# Altium PCB 5607.PcbDoc (part 1 of 6) (continued)
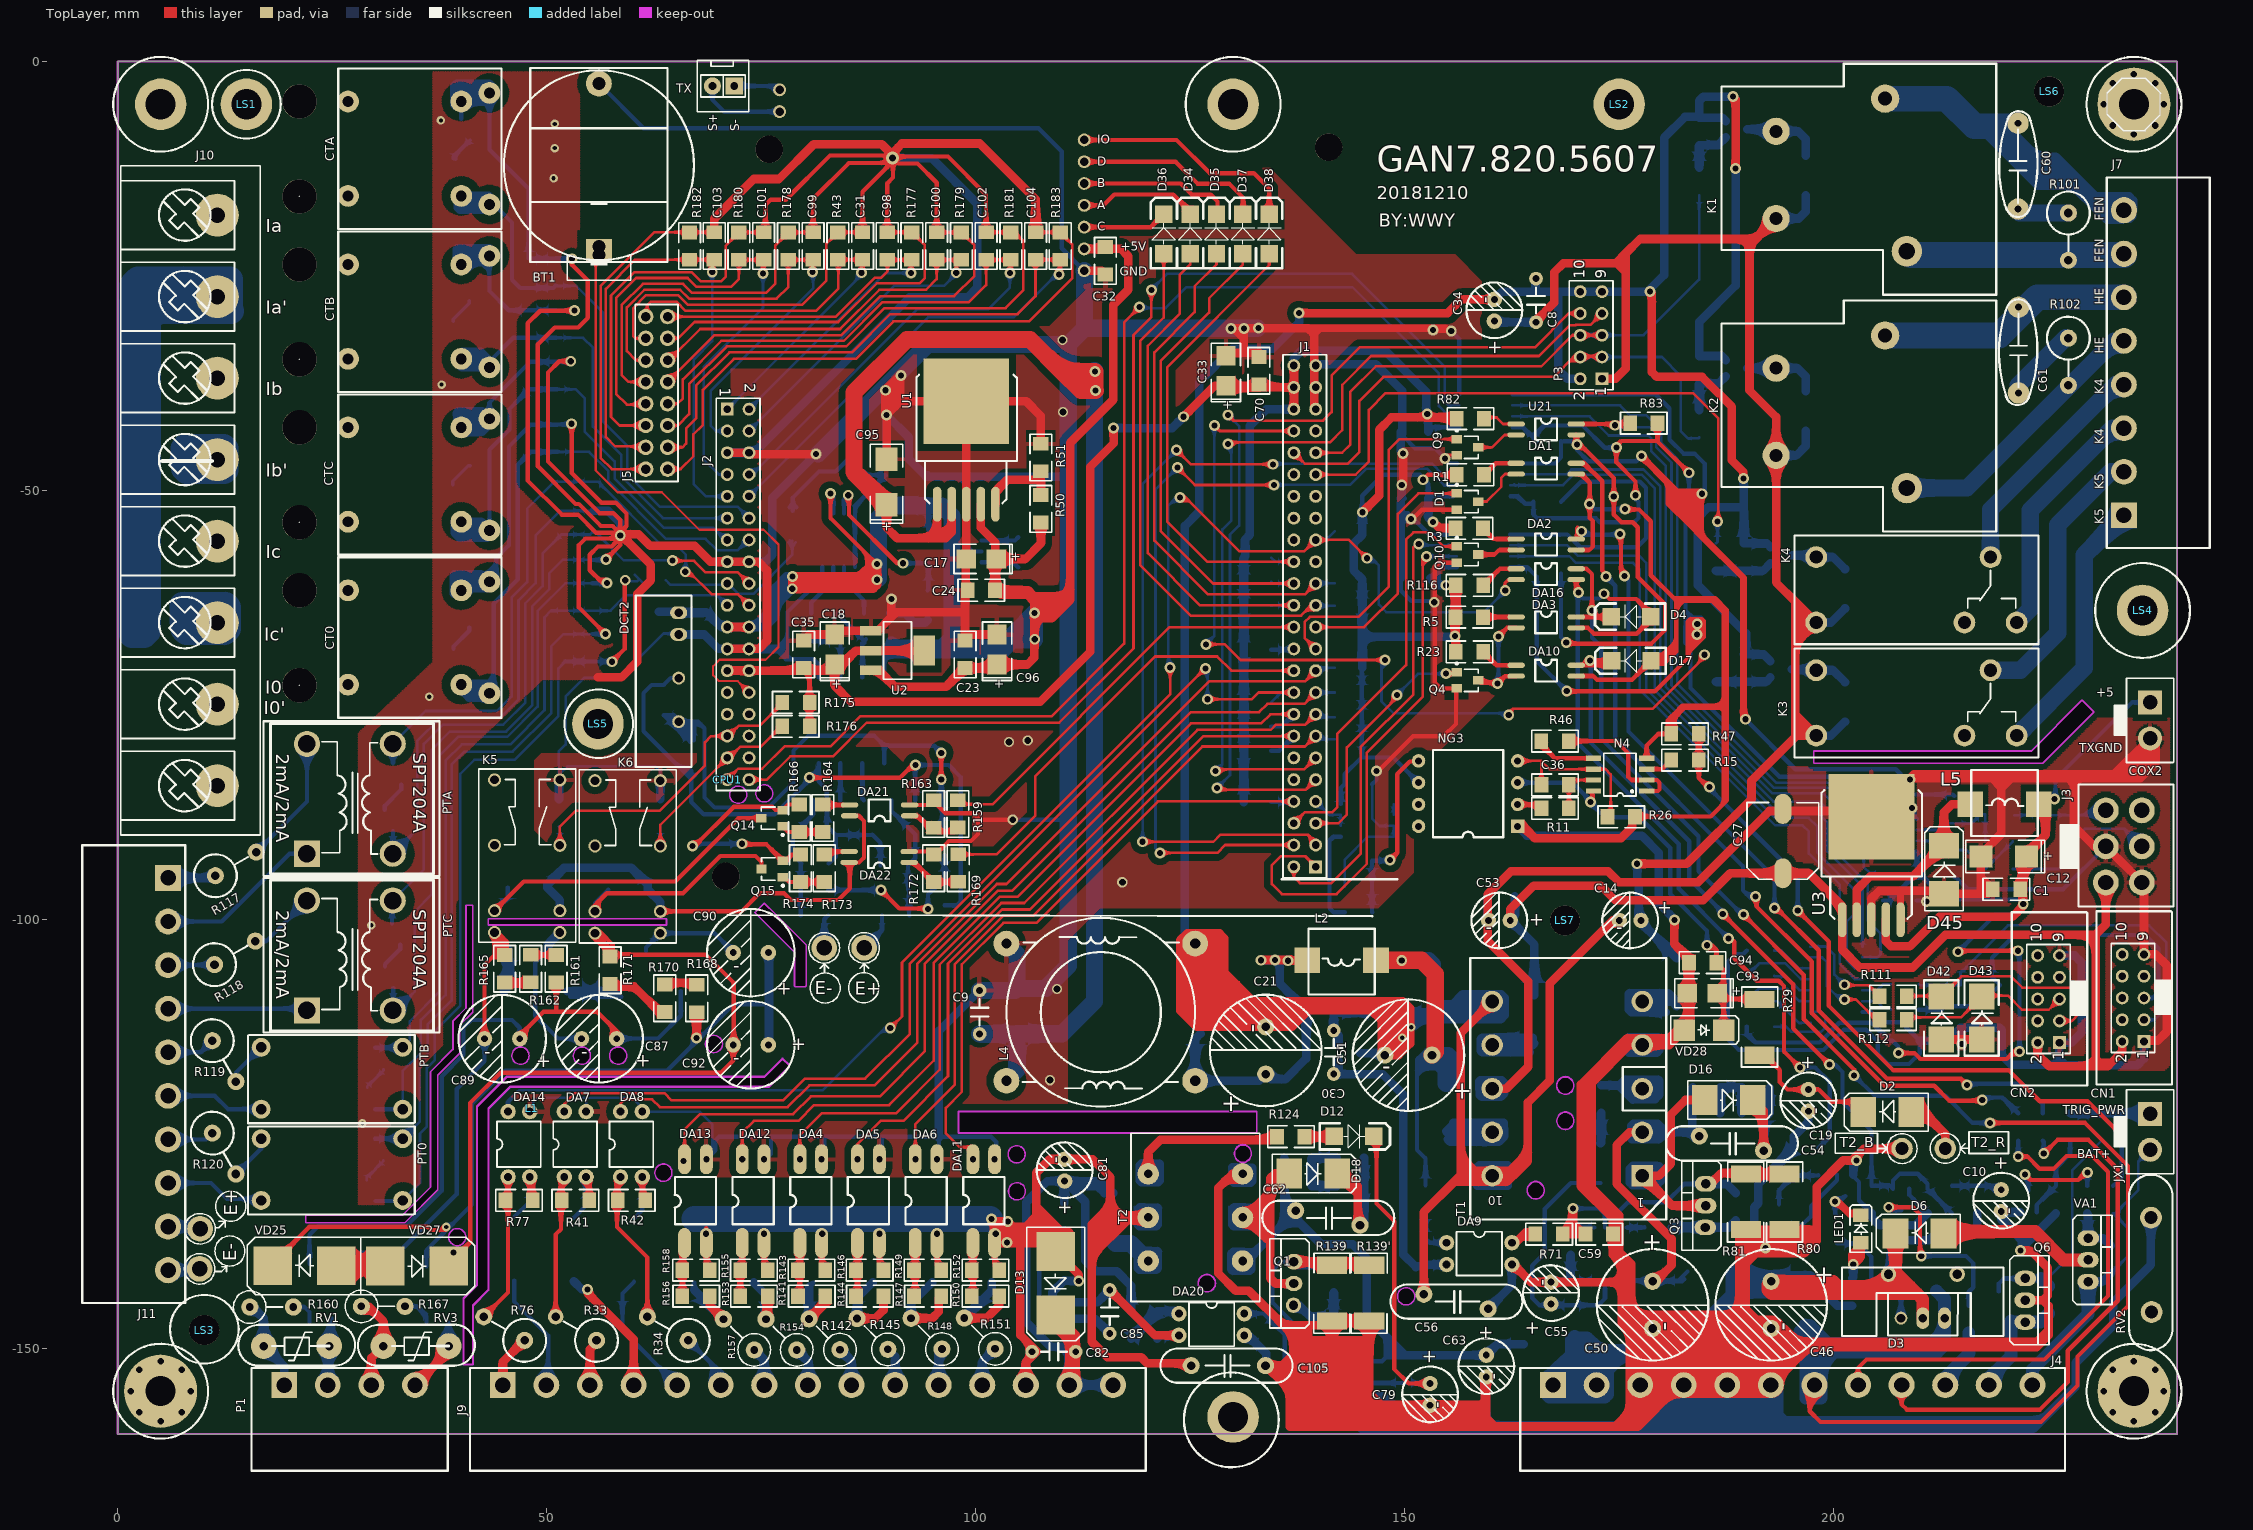
[diagram p0: TopLayer view]
## Components (designator, comment, footprint, x,y, rotation, side; value= is the part's Value field where it differs from the comment)
BT1 "Battery" 3.3VBAT 56.083,-12.09 r90 top locked
C1 "104" C1206 220.142,-96.495 r0 top
C2 "10u/10V" 钽电容B型3528 94.386,-63.398 r90 bottom
C3 "100u/10V" 钽电容B型3528 68.047,-65.811 r270 bottom
C4 "10u/10V" 钽电容B型3528 94.386,-50.013 r90 bottom
C5 "104" C1206 63.068,-65.735 r90 bottom
C6 "100u/10V" 钽电容B型3528 63.627,-74.447 r90 bottom
C7 "104" C1206 66.7,-80.924 r90 bottom
C8 "104" CBB104 165.303,-30.404 r90 top
C9 "104" CBB104 100.457,-113.36 r90 top
C10 "47uF/35V" 47U/50V 219.532,-131.521 r270 top
C11 "104" C1206 204.419,-132.639 r90 bottom
C12 "16V/220uF" 钽电解C型EC6032 219.81,-92.685 r180 top
C13 "104" C1206 87.508,-127.406 r180 bottom
C14 "47uF/50V" 47U/50V 177.546,-100.127 r180 top
C15 "104" C1206 94.198,-127.406 r180 bottom
C16 "104" C1206 144.602,-84.252 r180 bottom
C17 "100uF/10V" 钽电容B型3528 100.66,-57.988 r180 top
C18 "100uF/10V" 钽电容B型3528 83.566,-68.555 r90 top
C19 "47uF/50V" 47u/50V 197.053,-119.837 r270 top
C20 "103" C1206 90.5,-93.726 r180 bottom
C21 "2200uF/16V" 470U/63V 133.807,-118.034 r90 top
C22 "104" C1206 100.889,-127.406 r180 bottom
C23 "103" C1206 98.755,-69.113 r90 top
C24 "104" C1206 100.66,-61.646 r0 top
C25 "104" C1206 74.127,-127.406 r180 bottom
C26 "104" C1206 161.239,-97.333 r180 bottom
C27 "100uF/50V" SL-H贴片铝电解8MM 194.081,-90.881 r90 top
C28 "104" C1206 94.539,-86.106 r180 bottom
C29 "104" C1206 169.469,-143.358 r270 bottom
C30 "104" CBB104 141.732,-118.034 r90 top
C31 "201" C1206 86.809,-21.514 r90 top
C32 "104" C1206 115.113,-23.241 r90 top
C33 "100uF/10V" 钽电容B型3528 129.159,-36.068 r90 top
C34 "47uF/50V" 47U/50V 160.452,-30.277 r90 top
C35 "104" C1206 79.934,-69.113 r90 top
C36 "104" C1206 167.538,-84.328 r0 top
C37 "104" C1206 144.602,-96.19 r180 bottom
C38 "104" C1206 67.437,-127.406 r180 bottom
C39 "104" C1206 90.068,-65.938 r270 bottom
C40 "103" C1206 81.28,-93.497 r0 bottom
C41 "201" C1206 51.029,-24.562 r90 bottom
C42 "104" C1206 166.624,-44.272 r180 bottom
C43 "104" C1206 151.13,-43.18 r0 bottom
C44 "201" C1206 51.079,-30.618 r90 bottom
C45 "104" C1206 209.677,-96.215 r90 bottom
C46 "50V/470UF" 470U/63V 192.71,-142.189 r270 top locked
C47 "201" C1206 51.206,-36.623 r90 bottom
C48 "10V/220uF" 钽电解C型EC6032 125.654,-110.541 r90 bottom
C49 "10V/220uF" 钽电解C型EC6032 104.826,-110.693 r90 bottom
C50 "470uF/50V" 470U/63V 178.892,-142.189 r270 top
C51 "2200uF/16V" 470U/63V 153.187,-115.824 r180 top
C52 "10V/220uF" 钽电解C型EC6032 153.238,-107.95 r270 bottom
C53 "47uF/50V" 47U/50V 162.306,-100.127 r180 top
C54 "103/400V" CAP_HV_8#1 188.087,-126.111 r180 top
C55 "47uF/50V" 47U/50V 167.056,-144.831 r90 top
C56 "102/3KV" CAP_HV_8#1 155.981,-144.551 r180 top
C57 "104" C1206 169.342,-137.516 r90 bottom
C58 "104" C1206 166.624,-59.69 r180 bottom
C59 "102" C1206 172.669,-136.677 r180 top
C60 "151" CAP_HV_10 221.488,-17.221 r90 top
C61 "151" CAP_HV_10 221.539,-28.651 r270 top
C62 "103/400V" CAP_HV_8#1 141.046,-134.798 r180 top
C63 "47uF/50V" 47u/50V 159.512,-150.8 r270 top
C64 "104" C1206 151.13,-60.249 r0 bottom
C65 "201" C1206 51.257,-43.917 r90 bottom
C66 "104" C1206 151.13,-50.952 r0 bottom
C67 "104" C1206 166.624,-51.333 r180 bottom
C68 "104" C1206 191.465,-112.497 r0 bottom
C69 "104" C1206 191.44,-109.542 r180 bottom
C70 "104" C1206 133.02,-36.068 r270 top
C71 "104" C1206 191.465,-103.632 r0 bottom
C72 "104" C1206 208.432,-114.148 r180 bottom
C73 "104" C1206 191.465,-106.587 r0 bottom
C74 "201" C1206 55.296,-50.59 r270 bottom
C75 "201" C1206 55.296,-56.51 r270 bottom
C76 "201" C1206 55.296,-62.431 r90 bottom
C77 "201" C1206 55.296,-68.351 r90 bottom
C79 "47uF/50V" 47u/50V 152.959,-154.102 r270 top
C80 "104" C1206 149.86,-155.372 r90 bottom
C81 "47uF/50V" 47u/50V 110.363,-130.505 r90 top
C82 "104" CBB104 111.658,-150.393 r180 top
C83 "102" C1206 133.629,-147.955 r90 bottom
C84 "104" C1206 141.961,-157.963 r180 bottom
C85 "104" CBB104 115.621,-143.205 r270 top
C86 "104" C1206 80.818,-127.406 r180 bottom
C87 "10uF/450V" 10u/450V 56.109,-113.919 r180 top
C88 "104" C1206 51.435,-87.579 r270 bottom
C89 "10uF/450V" 10u/450V 44.806,-113.919 r180 top
C90 "10uF/450V" 10u/450V 73.787,-103.886 r180 top
C91 "104" C1206 63.246,-87.579 r270 bottom
C92 "10uF/450V" 10u/450V 73.787,-114.63 r180 top
C93 "100u/10V" 钽电容B型3528 184.683,-108.61 r180 top
C94 "104" C1206 184.734,-105.054 r0 top
C95 "10V/220uF" 钽电解C型EC6032 89.611,-49.022 r90 top
C96 "100uF/10V" 钽电容B型3528 102.489,-68.555 r90 top
C97 "10u/10V" 钽电容B型3528 104.953,-57.226 r270 bottom
C98 "201" C1206 89.69,-21.514 r90 top
C99 "201" C1206 81.048,-21.514 r90 top
C100 "201" C1206 95.451,-21.514 r90 top
C101 "201" C1206 75.287,-21.514 r90 top
C102 "201" C1206 101.213,-21.514 r90 top
C103 "201" C1206 69.525,-21.514 r90 top
C104 "201" C1206 106.974,-21.514 r90 top
C105 "102/3KV" CAP_HV_8#2 129.184,-152.019 r180 top
CN1 "GPRS" IDC10 236.169,-114.249 r90 top locked
CN2 "LAN" IDC10 226.314,-114.376 r90 top locked
COX2 "CON2" 5569_2P_4.2ֱ 236.88,-76.81 r270 top
CPU1 "CPU_BOARD" PCB5600 71.044,-83.72 r0 top locked
CT0 "ZMCT101" ZMCT101B_OUTLINE 26.822,-61.798 r0 top locked
CTA "ZMCT101B" ZMCT101B_OUTLINE 26.822,-4.826 r0 top locked
CTB "ZMCT101B" ZMCT101B_OUTLINE 26.822,-23.817 r0 top locked
CTC "ZMCT101B" ZMCT101B_OUTLINE 26.822,-42.807 r0 top locked
D1 "LMUNJ2232LT1G" SOT-23 157.328,-51.308 r270 top
D2 "ES2D" DO-214AA 206.248,-122.479 r180 top
D3 "IRF5210S" TO-220-SRQ 210.388,-146.482 r0 top locked
D4 "1N4148" SMT_4148 176.378,-64.719 r180 top
D5 "ES2D" DO-214AA 196.672,-144.501 r270 bottom
D6 "SK34" DO-214AA 210.007,-136.601 r180 top
D7 "1N4007" DO-214AA 166.649,-149.504 r180 bottom
D8 "1N4148" SMT_4148 172.822,-128.422 r270 bottom
D9 "SMBJ6.8CA" SMT-5822 90.449,-90.119 r180 bottom
D10 "SMBJ6.8CA" SMT-5822 81.178,-90.17 r0 bottom
D11 "SK34" DO-214AA 154.838,-121.92 r90 bottom
D12 "1N4148" SMT_4148 144.094,-125.298 r0 top
D13 "SMC47A" DO-214AB#1 109.322,-142.418 r270 top
D14 "ES2D" DO-214AA 181.712,-107.34 r90 bottom
D15 "ES2D" DO-214AA 116.053,-134.696 r90 bottom
D16 "ES2D" DO-214AA 187.782,-121.056 r0 top
D17 "1N4148" SMT_4148 176.428,-69.85 r180 top
D18 "ES2D" DO-214AA 139.344,-129.616 r0 top
D19 "1N4007" DO-214AC 201.32,-74.651 r270 bottom
D20 "SMC47A" DO-214AB#1 81.051,-138.633 r270 bottom
D21 "SMC47A" DO-214AB#1 87.986,-138.633 r270 bottom
D22 "SMC47A" DO-214AB#1 94.92,-138.633 r270 bottom
D23 "SMC47A" DO-214AB#1 101.854,-138.633 r270 bottom
D24 "SMC47A" DO-214AB#1 74.117,-138.633 r270 bottom
D25 "SMC47A" DO-214AB#1 67.183,-138.633 r270 bottom
D26 "1N4007" DO-214AC 196.723,-13.284 r270 bottom
D27 "1N4007" DO-214AC 196.723,-40.742 r270 bottom
D28 "1N4007" DO-214AC 47.752,-96.291 r0 bottom
D29 "1N4007" DO-214AC 201.32,-61.468 r270 bottom
D30 "MB10S" TO-269AA 22.342,-140.437 r90 bottom
D31 "MB10S" TO-269AA 35.992,-140.437 r90 bottom
D32 "1N4007" DO-214AC 59.487,-96.545 r0 bottom
D33 "1N4007" DO-214AA 185.776,-141.046 r180 bottom
D34 "1N4148" SMT_4148 124.993,-20.117 r90 top
D35 "1N4148" SMT_4148 128.067,-20.117 r90 top
D36 "1N4148" SMT_4148 121.92,-20.117 r90 top
D37 "1N4148" SMT_4148 131.14,-20.117 r90 top
D38 "1N4148" SMT_4148 134.214,-20.117 r90 top
D39 "SMBJ11CA" SMT-5822 224.714,-90.907 r270 bottom
D40 "SMBJ15CA" SMT-5822 214.782,-110.16 r270 bottom
D41 "SMBJ15CA" SMT-5822 219.38,-110.16 r270 bottom
D42 "SMBJ15CA" SMT-5822 212.547,-111.506 r270 top
D43 "SMBJ15CA" SMT-5822 217.246,-111.506 r270 top
D44 "ES2D" DO-214AA 165.125,-111.658 r90 bottom
D45 "SK34" DO-214AA 212.852,-94.234 r90 top
DA1 "PS2801-1" SO-4 166.497,-47.473 r0 top
DA2 "PS2801-1" SO-4 166.497,-56.312 r0 top
DA3 "PS2801-1" SO-4 166.497,-65.395 r0 top
DA4 "SFH615A-4" SFH615A-4 80.777,-132.842 r0 top
DA5 "SFH615A-4" SFH615A-4 87.498,-132.842 r0 top
DA6 "SFH615A-4" SFH615A-4 94.219,-132.842 r0 top
DA7 "TLP620" dip4 52.095,-125.019 r0 top
DA8 "TLP620" dip4 58.649,-125.019 r0 top
DA9 "PC817" dip4 159.893,-137.744 r270 top
DA10 "PS2801-1" SO-4 166.497,-71.018 r0 top
DA11 "SFH615A-4" SFH615A-4 100.94,-132.842 r0 top
DA12 "SFH615A-4" SFH615A-4 74.056,-132.842 r0 top
DA13 "SFH615A-4" SFH615A-4 67.335,-132.842 r0 top
DA14 "TLP620" dip4 45.542,-125.019 r0 top
DA16 "PS2801-1" SO-4 166.497,-59.771 r0 top
DA20 "PC817" dip4 128.702,-145.999 r270 top
DA21 "PS2801-1" SO-4 88.798,-87.3 r180 top
DA22 "PS2801-1" SO-4 88.748,-92.735 r180 top
DCT2 "DC5S5/200" IB-LS 65.38,-64.262 r270 top locked
J1 "Header 24X2" HDR2X24 139.624,-93.88 r90 top locked
J2 "Header 18X2" HDR2X18 71.044,-40.54 r270 top locked
J3 "RS485" 5569_3X2_4.2ֱ 231.724,-95.707 r90 top locked
J4 "2EDG_12P" XR_POWER5.08_12_弯 167.284,-154.28 r0 top locked
J5 "Header 8X2" 双排针母座2.54_2*8 62.814,-38.633 r270 top
J7 "CON6" XR_POWER5.08_8_弯 233.832,-52.908 r90 top locked
J9 "2EDG_15P" XR_POWER5.08_15_弯 44.882,-154.28 r0 top locked
J10 "Header 8" XR_POWER9.5_8 16.612,-12.167 r270 top locked
J11 "2EDG_10P" XR_POWER5.08_10_弯 5.867,-95.174 r270 top locked
JX1 "CON2" 5569_2P_4.2ֱ 236.88,-124.765 r270 top
K1 "953-1A-12DG-1" 953-1A-12DG-1 208.534,-22.123 r90 top locked
K2 "953-1A-12DG-1" 953-1A-12DG-1 208.534,-49.733 r90 top locked
K3 "Relay-SPDT" JQX-115FA 218.288,-70.968 r90 top locked
K4 "Relay-SPDT" JQX-115FA 218.288,-57.785 r90 top locked
K5 "DSP1-L2-DC24V-F" DSP1-L2-DC24V-F 47.727,-92.583 r90 top locked
K6 "DSP1-L2-DC24V-F" DSP1-L2-DC24V-F 59.436,-92.659 r90 top locked
L1 "1mH/5A(10T)" EMI_22_3mH#1 270.637,-138.379 r90 top locked
L2 "68uH" L680-TP 142.646,-104.775 r180 top
L3 "1mH/5A(10T)" EMI_22_3mH#2 276.784,-142.011 r90 top locked
L4 "1mH/5A(10T)" EMI_22_3mH#3 114.579,-110.82 r180 top locked
L5 "68uH" L680-TP 219.911,-86.589 r0 top
LED1 "RED" LED1206 203.2,-136.144 r90 top
LS1 "7mm_cylinder" 7mm_cylinder#1 15,-5 r0 top
LS2 "7mm_cylinder" 7mm_cylinder#1 175,-5 r0 top
LS3 "7mm_cylinder" 7mm_cylinder#2 10.084,-147.879 r0 top
LS4 "7mm_cylinder" 7mm_cylinder#1 236,-64 r0 top
LS5 "7mm_cylinder" 7mm_cylinder#1 55.976,-77.212 r0 top
LS6 "7mm_cylinder" 7mm_cylinder#2 225.12,-3.505 r0 top
LS7 "7mm_cylinder" 7mm_cylinder#2 168.681,-100.127 r0 top
N4 "LT1013IP" SO8 175.108,-83.134 r90 top
NG3 "NG" DIP8W 163.17,-89.154 r180 top
P1 "2EDG-4P" XR_POWER5.08_4_弯 19.406,-154.28 r0 top locked
P3 "Header 5X2" HDR2X5 173,-37 r90 top locked
PT0 "ZMPT101B" ZMPT107 16.713,-132.766 r0 top locked
PTA "ZMPT101B" PT_SPT204A_2/2mA 32.055,-79.553 r180 top locked
PTB "ZMPT101B" ZMPT107 16.713,-122.123 r0 top locked
PTC "ZMPT101B" PT_SPT204A_2/2mA 32.055,-97.815 r180 top locked
Q1 "IRF640" TO220-IRF540#1 137.058,-142.443 r90 top
Q2 "BC817-25" SOT-23 193.878,-70.866 r90 bottom
Q3 "IRF640" TO220-IRF540#2 185.064,-133.375 r90 top
Q4 "LMUN2232LT1G" SOT-23 157.328,-72.136 r270 top
Q5 "BC817-25" SOT-23 193.878,-57.556 r90 bottom
Q6 "NMOS-2" TO220-IRF540#2 222.326,-144.399 r270 top
Q7 "BC817-25" SOT-23 188.671,-7.899 r90 bottom
Q8 "BC817-25" SOT-23 188.671,-35.763 r90 bottom
Q9 "T-NPN-LMUN2232LT1G-SOT2" SOT-23 157.328,-44.983 r270 top
Q10 "LMUNJ2232LT1G" SOT-23 157.328,-57.48 r270 top
Q11 "2N5551" SOT-23 201.346,-130.988 r0 bottom
Q12 "2N5551" SOT-23 222.707,-132.893 r180 bottom
Q13 "2N5551" SOT-23 207.874,-132.664 r0 bottom
Q14 "BC817-25(6CW)" SOT-23 76.251,-88.214 r90 top
Q15 "BC817-25(6CW)" SOT-23 76.276,-94.132 r90 top
R1 "2K" R1206 157.658,-48.184 r180 top
R2 "100R" R1206 221.513,-124.206 r90 bottom
R3 "2K" R1206 157.531,-54.432 r180 top
R4 "100R" R1206 224.57,-124.206 r90 bottom
R5 "2K" R1206 157.531,-64.77 r180 top
R6 "3K3" R1206 210.388,-143.332 r0 bottom
R7 "10K" R1206 202.184,-143.434 r270 bottom
R8 "3K3" R1206 200.406,-136.169 r270 bottom
R9 "4K7" R1206 198.196,-128.245 r90 bottom
R10 "10K" R1206 197.383,-136.169 r270 bottom
R11 "510" R1206 167.538,-87.071 r0 top
R12 "0" R1206 62.281,-60.477 r0 bottom
R13 "100K" R1206 195.351,-128.27 r90 bottom
R14 "3K3" R1206 232.308,-139.649 r270 bottom
R15 "1K" R1206 182.677,-81.432 r0 top
R16 "3K3" R1206 229.565,-132.69 r270 bottom
R17 "15K" R1206 216.713,-132.689 r270 bottom
R18 "20K" R1206 227.626,-124.206 r90 bottom
R19 "0" R1206 78.689,-53.975 r270 bottom
R20 "100R" R1206 215.748,-146.634 r90 bottom
R21 "4K7" R1206 213.792,-132.664 r90 bottom
R22 "10K" R1206 225.908,-132.664 r90 bottom
R23 "2K" R1206 157.556,-68.834 r0 top
R24 "1K" R1206 210.947,-132.664 r90 bottom
R25 "20K" R1206 230.683,-124.206 r90 bottom
R26 "100K" R1206 175.235,-88.062 r180 top
R27 "100K" R1206 232.562,-132.664 r270 bottom
R28 "10K" R1206 224.993,-144.348 r90 bottom
R29 "300" R2512 191.364,-112.598 r270 top
R30 "1M" R1206 90.678,-99.543 r180 bottom
R31 "10K" R1206 143.459,-76.429 r0 bottom
R32 "499R" R1206 89.51,-46.634 r270 bottom
R33 "24K/3W" RES-L5#1 55.804,-149.073 r330 top
R34 "24K/3W" RES-L5#2 66.497,-149.073 r330 top
R35 "10K" R1206 132.842,-80.34 r180 bottom
R36 "10K" R1206 132.867,-63.462 r0 bottom
R37 "10K" R1206 143.459,-60.808 r0 bottom
R38 "10K" R1206 143.459,-63.475 r0 bottom
R39 "10K" R1206 132.842,-60.649 r180 bottom
R40 "10K" R1206 132.842,-57.836 r180 bottom
R41 "1K" R1206 53.352,-132.766 r0 top
R42 "1K" R1206 59.893,-132.766 r180 top
R43 "200R" R1206 83.929,-21.539 r270 top
R44 "200R" R1206 152.425,-132.588 r90 bottom
R45 "10K" R1206 143.459,-79.019 r0 bottom
R46 "680" R1206 167.513,-79.223 r180 top
R47 "4.7K" R1206 182.677,-78.384 r0 top
R48 "10K" R1206 144.627,-99.187 r0 bottom
R49 "51K" R1206 144.602,-93.37 r0 bottom
R50 "36k" R1206 107.594,-52.146 r90 top
R51 "12k" R1206 107.594,-46.177 r270 top
R52 "5K1" R1206 96.368,-90.907 r270 bottom
R53 "10K" R1206 132.842,-86.335 r180 bottom
R54 "100K" R1206 90.627,-96.672 r0 bottom
R55 "49R9" R1206 86.487,-46.609 r90 bottom
R56 "49R9" R1206 88.544,-86.106 r180 bottom
R57 "5K1" R1206 96.368,-96.774 r270 bottom
R58 "100K" R1206 81.204,-96.596 r180 bottom
R59 "499R" R1206 83.905,-65.938 r270 bottom
R60 "10K" R1206 143.459,-70.688 r0 bottom
R61 "10K" R1206 188.595,-133.502 r270 bottom
R62 "3K" R1206 140.335,-110.795 r180 bottom
R63 "10K" R1206 132.842,-74.714 r180 bottom
R64 "49R9" R1206 86.987,-65.913 r90 bottom
R65 "10K" R1206 143.459,-73.558 r0 bottom
R66 "20K" R1206 185.166,-119.583 r180 bottom
R67 "20K" R1206 185.141,-122.606 r180 bottom
R68 "20K" R1206 190.932,-119.634 r180 bottom
R69 "20K" R1206 190.881,-122.606 r180 bottom
R70 "6R8" R1206 172.898,-120.955 r90 bottom
R71 "6R8" R1206 166.827,-136.677 r180 top
R72 "10K" R1206 132.842,-77.527 r180 bottom
R73 "49R9" R1206 82.626,-86.106 r0 bottom
R74 "10K" R1206 132.842,-68.58 r180 bottom
R75 "10K" R1206 143.459,-54.762 r0 bottom
R76 "24K/3W" RES-L5#2 47.422,-149.073 r330 top
R77 "1K" R1206 46.787,-132.766 r0 top
R78 "49R9" R1206 80.823,-65.913 r90 bottom
R79 "6R8" R1206 179.553,-135.89 r180 bottom
R80 "1.0" R2512 194.285,-132.918 r90 top
R81 "1.0" R2512 189.763,-132.918 r90 top
R82 "1K" R1206 157.658,-41.631 r180 top
R83 "10K" R1206 177.876,-42.164 r0 top
R84 "1M" R1206 81.204,-99.543 r0 bottom
R85 "2K" R1206 184.328,-13.995 r90 bottom
R86 "4K7" R1206 184.328,-8.153 r270 bottom
R87 "4K7" R1206 184.328,-35.941 r270 bottom
R88 "1K" R1206 152.425,-138.811 r90 bottom
R89 "4K7" R1206 189.535,-57.785 r270 bottom
R90 "2.2K" R1206 148.158,-110.871 r180 bottom
R93 "2K" R1206 186.284,-57.785 r270 bottom
R94 "68R" R1206 47.904,-24.587 r270 bottom
R95 "2K" R1206 184.328,-42.24 r90 bottom
R96 "68R" R1206 47.955,-30.643 r270 bottom
R97 "5.1K" R1206 205.435,-85.446 r180 bottom
R98 "5.1K" R1206 214.046,-87.224 r90 bottom
R99 "10R" R1206 219.278,-87.757 r180 bottom
R100 "120" R1206 219.278,-90.881 r180 bottom
R101 "100" res-l5 227.355,-17.678 r90 top
R102 "100" res-l5 227.355,-32.258 r90 top
R103 "68R" R1206 48.082,-36.648 r270 bottom
R104 "10R" R1206 219.278,-94.132 r180 bottom
R105 "5.1K" R1206 205.791,-96.215 r90 bottom
R106 "5.1K" R1206 214.097,-93.523 r90 bottom
R107 "68R" R1206 48.133,-43.942 r270 bottom
R108 "20" R1206 208.331,-107.569 r0 bottom
R109 "20" R1206 208.331,-110.541 r0 bottom
R110 "200R" R1206 52.172,-50.565 r90 bottom
R111 "20" R1206 206.934,-108.941 r0 top
R112 "20" R1206 206.934,-111.684 r0 top
R113 "200R" R1206 52.172,-56.485 r90 bottom
R114 "200R" R1206 52.172,-62.406 r270 bottom
R115 "200R" R1206 52.172,-68.326 r270 bottom
R116 "2K" R1206 157.556,-61.087 r0 top
R117 "220K/3W" RES-L5#2 11.379,-94.92 r210 top
R118 "220K/3W" RES-L5#2 11.278,-105.283 r210 top
R119 "220K/3W" RES-L5#2 11.024,-114.148 r120 top
R120 "220K/3W" RES-L5#2 11.024,-124.917 r120 top
R124 "6R8" R1206 136.728,-125.324 r180 top
R126 "20K" R1206 137.566,-127.787 r180 bottom
R127 "20K" R1206 137.566,-131.089 r180 bottom
R128 "20K" R1206 143.662,-131.089 r180 bottom
R129 "20K" R1206 143.662,-127.787 r180 bottom
R130 "22K" R1206 110.312,-134.671 r90 bottom
R131 "1K" R1206 118.11,-147.269 r90 bottom
R133 "6R8" R1206 141.681,-147.853 r270 bottom
R134 "1K" R1206 121.158,-147.269 r90 bottom
R136 "10K" R1206 141.732,-141.859 r270 bottom
R137 "2K" R1206 186.284,-70.714 r270 bottom
R138 "4K7" R1206 189.535,-70.714 r270 bottom
R139 "1.0" R2512 141.529,-143.561 r90 top
R139' "1.0" R2512 145.872,-143.561 r90 top
R140 "2.2K" R1206 110.312,-140.487 r90 bottom
R141 "3.9K" R1206 80.879,-143.916 r180 top
R142 "2K2" res_0.5W-L-5.08 84.176,-150.165 r135 top
R143 "1K" R1206 80.879,-140.894 r0 top
R144 "3.9K" R1206 87.65,-143.916 r180 top
R145 "2K2" res_0.5W-L-5.08 89.764,-150.114 r135 top
R146 "1K" R1206 87.65,-140.894 r0 top
R147 "3.9K" R1206 94.397,-143.916 r180 top
R148 "2K2" res_0.5W-L-5.08 96.063,-150.089 r135 top
R149 "1K" R1206 94.397,-140.894 r0 top
R150 "3.9K" R1206 101.143,-143.916 r180 top
R151 "2K2" res_0.5W-L-5.08 102.26,-150.063 r135 top
R152 "1K" R1206 101.143,-140.894 r0 top
R153 "3.9K" R1206 74.158,-143.916 r180 top
R154 "2K2" res_0.5W-L-5.08 79.146,-150.19 r135 top
R155 "1K" R1206 74.158,-140.894 r0 top
R156 "3.9K" R1206 67.412,-143.916 r180 top
R157 "2K2" res_0.5W-L-5.08 74.193,-150.19 r135 top
R158 "1K" R1206 67.412,-140.894 r0 top
R159 "1K" R1206 97.917,-87.707 r90 top
R160 "2K2" res_0.5W-L-5.08 15.392,-145.186 r0 top
R161 "100K" R1206 51.105,-105.765 r270 top
R162 "100K" R1206 48.133,-105.74 r90 top
R163 "10K" R1206 95.098,-87.732 r270 top
R164 "4K7" R1206 82.194,-88.214 r270 top
R165 "100K" R1206 45.085,-105.765 r270 top
R166 "10K" R1206 79.451,-88.214 r270 top
R167 "2K2" res_0.5W-L-5.08 28.397,-145.11 r0 top
R168 "100K" R1206 67.488,-109.22 r270 top
R169 "1K" R1206 97.968,-94.031 r90 top
R170 "100K" R1206 63.754,-109.195 r90 top
R171 "100K" R1206 57.379,-105.943 r270 top
R172 "10K" R1206 95.098,-94.056 r270 top
R173 "4K7" R1206 82.347,-94.056 r270 top
R174 "10K" R1206 79.578,-94.056 r270 top
R175 "10K" R1206 79.045,-74.727 r0 top
R176 "10K" R1206 79.045,-77.521 r0 top
R177 "200R" R1206 92.571,-21.539 r270 top
R178 "200R" R1206 78.167,-21.539 r270 top
R179 "200R" R1206 98.332,-21.539 r270 top
R180 "200R" R1206 72.406,-21.539 r270 top
R181 "200R" R1206 104.094,-21.539 r270 top
R182 "200R" R1206 66.645,-21.539 r270 top
R183 "200R" R1206 109.855,-21.539 r270 top
RV1 "10D681" NTC 24.638,-149.733 r180 top
RV2 "20D821" 20D301 237.007,-139.979 r270 top locked
RV3 "10D681" NTC 38.583,-149.733 r180 top
T1 "BK-28-901-CPU" DC24S15 177.698,-129.896 r180 top locked
T2 "EE19/8/5" EE19/8/5 125.603,-134.747 r90 top locked
TL1 "TL431" SOT-23 143.586,-115.595 r90 bottom
TL2 "TL431" SOT-23 110.185,-145.593 r270 bottom
TX "" XH_2.54*2 71.857,-2.87 r180 top
U1 "SPX29302" TO-263-5 98.908,-51.613 r0 top
U2 "LM1117IMPX-3.3V" SOT223 90.881,-68.682 r270 top
U3 "LM2596-5.0" TO-263-5 204.394,-100.051 r0 top
U4 "SN75176AD" SO8 206.604,-90.221 r90 bottom
U5 "AMC1200SDUBR" SOP8(贴片DIP8) 85.522,-76.81 r180 bottom
U6 "ICE3AS03LJG" SO8 173.99,-139.014 r0 bottom
U7 "ADUM1201ARZ-RL7" SO8 159.182,-57.048 r90 bottom
U8 "ADUM1201ARZ-RL7" SO8 159.233,-48.768 r90 bottom
U9 "EL5172ISZ-T7" SO8 84.023,-55.804 r180 bottom
U10 "ICE3AS03LJG" SO8 141.986,-153.416 r90 bottom
U11 "MAX3232ESE" SOP16 200.33,-107.62 r0 bottom
U12 "YKQ" YKQ 94.894,-15.291 r180 bottom locked
U13 "ICL7660AIBAZA-T" SO8 97.587,-56.49 r270 bottom
U17 "LT1013IP" SO8 145.644,-88.468 r270 bottom
U20 "1201" SO8 159.461,-40.742 r90 bottom
U21 "PS2801-1" SO-4 166.497,-42.901 r0 top
VA1 "9530" TO220-IRF540#2 229.667,-139.7 r270 top
VD1 "BZX84C20" SOT-23 193.624,-134.442 r180 bottom
VD2 "BZX84C20" SOT-23 219.253,-144.628 r180 bottom
VD3 "SMCJ100CA" DO-214AB#1 46.203,-138.405 r270 bottom
VD4 "SMCJ40CA" DO-214AB#1 61.925,-108.357 r0 bottom
VD5 "BZX84C4V7" SOT-23 40.107,-12.573 r0 bottom
VD6 "BZX84C4V7" SOT-23 40.056,-7.747 r180 bottom
VD7 "BZX84C4V7" SOT-23 40.056,-31.572 r0 bottom
VD8 "BZX84C4V7" SOT-23 40.03,-26.67 r180 bottom
VD9 "BZX84C4V7" SOT-23 39.98,-50.622 r0 bottom
VD10 "BZX84C4V7" SOT-23 39.98,-45.466 r180 bottom
VD11 "BZX84C4V7" SOT-23 40.081,-69.723 r0 bottom
VD12 "BZX84C4V7" SOT-23 40.03,-64.745 r180 bottom
VD13 "BZX84C4V7" SOT-23 32.08,-83.058 r180 bottom
VD14 "BZX84C4V7" SOT-23 32.08,-88.494 r0 bottom
VD15 "BZX84C4V7" SOT-23 31.979,-101.727 r180 bottom
VD16 "BZX84C4V7" SOT-23 32.106,-106.756 r0 bottom
VD17 "SMCJ100CA" DO-214AB#1 53.162,-138.481 r270 bottom
VD18 "SMCJ100CA" DO-214AB#1 60.173,-138.557 r270 bottom
VD19 "BZX84C4V7" SOT-23 30.023,-120.879 r0 bottom
VD20 "BZX84C4V7" SOT-23 30.023,-116.23 r180 bottom
VD21 "BZX84C4V7" SOT-23 29.997,-131.648 r0 bottom
VD22 "BZX84C4V7" SOT-23 29.997,-126.822 r180 bottom
VD23 "1SMA4750" DO-214AC 47.854,-103.556 r0 bottom
VD24 "SMCJ350CA" DO-214AB#2 48.692,-108.382 r180 bottom
VD25 "SMCJ40CA" DO-214AB#1 21.768,-140.386 r180 top
VD26 "1SMA4750" DO-214AC 59.36,-103.48 r0 bottom
VD27 "SMCJ350CA" DO-214AB#1 34.9,-140.411 r0 top
VD28 "SMAZ5V1" DO-214AC 184.887,-112.903 r0 top

## Footprints (in the part's own frame and the unit in brackets; to place one, negate y for a bottom-side part, rotate by r counter-clockwise, add the part's x,y. Pads: shape width x height; smd on the part's side, far side on the other; paste and mask are expansions set on the pad)
3.3VBAT [mm]
  rect 1.8x3 hole 1.5: 1(-10.5,0) 1(-9.5,0)
  round 3 hole 1.5: 2(9.5,0)
  TopLayer lines w0.254: -10.4,0.175 -9.675,0.175 -9.5,0 -10.5,0 -10.775,0
  silkscreen extent -13.42,-11.07 11.3,11.07, body extent -11.7,-11.08 12.8,11.08, height 8.9
7mm_cylinder#1 [mm]
  round 6 hole 3.5: PAD1(0,0)
  body extent -3.87,-3.73 4.03,4.17, height 28.22
7mm_cylinder#2 [mm]
  round 3.5 hole 3.5: PAD1(0,0)
  body extent -3.87,-3.73 4.03,4.17, height 28.22
10u/450V [mm]
  round 1.8 hole 0.8: 1(-2.05,0) 2(2.05,0)
  silkscreen extent -5.1,-5.13 5.1,5.1, body extent -5.1,-5.06 5.1,5.06, height 20.4
20D301 [mil]
  round 100 hole 60: 1(228,2) 2(-205,-1)
  silkscreen extent -402,-102 403,98, body extent -400,-96 400,98, height 803
47U/50V [mm]
  round 1.8 hole 0.8: 1(0,0) 2(2.54,0)
  silkscreen extent -1.98,-3.3 4.52,3.25, body extent -1.98,-3.25 4.52,3.25, height 13
47u/50V [mm]
  round 1.8 hole 0.8: 1(0,0) 2(2.54,0)
  silkscreen extent -1.98,-3.3 4.52,3.25, body extent -1.98,-3.25 4.52,3.25, height 13
470U/63V [mm]
  round 2 hole 1: 1(0,0) 2(5.5,0)
  silkscreen extent -3.75,-6.5 9.25,6.5, body extent -3.65,-6.4 9.15,6.4, height 21.5
953-1A-12DG-1 [mil]
  round 140 hole 75: 1(0,0)
  round 130 hole 65: 2(700,100)
  round 125 hole 60: 3(150,600) 4(550,600)
  silkscreen extent -200,-410 860,850, body extent -220,-391 859,861, height 787
5569_2P_4.2ֱ [mm]
  rect 2.8x2.8 hole 1.7: 1(-2.1,0)
  round 2.8 hole 1.7: 2(2.1,0)
  silkscreen extent -4.9,-4.15 4.9,2.75, body extent -4.97,-4.13 4.83,2.77, height 13
5569_3X2_4.2ֱ [mm]
  round 3 hole 1.8: 1(8.4,0) 2(8.4,-4.2) 3(4.2,0) 4(4.2,-4.2) 5(0,0) 6(0,-4.2)
  silkscreen extent -2.8,-7.87 11.43,5.26, body extent -2.8,-7.5 11.2,4.2, height 13
C1206 [mm]
  rect 1.6x1.8 smd: 1(-1.6,0) 2(1.6,0)
  silkscreen extent -2.73,-1.27 2.7,1.27, body extent -2.13,-0.92 2.07,0.88, height 0.95
CAP_HV_8#1 [mm]
  round 2 hole 1: 1(-3.75,0.85) 2(3.75,-0.85)
  silkscreen extent -7.74,-2 7.64,2, body extent -7.75,-2.1 7.75,2.1, height 18.52
CAP_HV_8#2 [mm]
  round 2 hole 1: 1(-4.597,0) 2(4.064,0)
  silkscreen extent -7.74,-2 7.64,2, body extent -7.75,-2.1 7.75,2.1, height 18.52
CAP_HV_10 [mm]
  round 2.5 hole 0.8: 1(0,0) 2(10,0)
  silkscreen extent -0.91,-2.26 11.41,2.2
CBB104 [mm]
  round 1.6 hole 0.8: 1(0,0) 2(5.08,0)
  silkscreen extent 1.02,-1.02 4.06,1.02, body extent -1.96,-1.5 7.04,1.5, height 5.04
DC24S15 [mm]
  rect 2.5x2.5 hole 1.6: 1(0,0)
  round 2.5 hole 1.6: 2(0,-5.08) 3(0,-10.16) 4(0,-15.24) 5(0,-20.32) 6(17.5,-20.32) 7(17.5,-15.24) 8(17.5,-10.16) 9(17.5,-5.08) 10(17.5,0)
  silkscreen extent -2.79,-25.4 20.07,5.08, body extent -2.61,-24.64 19.89,4.36, height 20
dip4 [mm]
  round 1.8 hole 0.9: 1(-0.045,-5.01) 2(2.495,-5.01) 3(2.495,2.61) 4(-0.045,2.61)
  silkscreen extent -1.33,-3.85 3.78,1.45
DIP8W [mil]
  rect 62x62 hole 32: 1(0,0)
  round 62 hole 32: 2(0,-100) 3(0,-200) 4(0,-300) 5(455,-300) 6(455,-200) 7(455,-100) 8(455,0)
  silkscreen extent 66,-350 389,50, body extent -38,-373 494,72, height 181
DO-214AA [mm]
  rect 3x3.5 smd: 1(-2.8,0) 2(2.8,0)
  silkscreen extent -4.77,-2.22 5.02,2.25, body extent -2.8,-1.95 2.8,1.95, height 2.5
DO-214AB#1 [mm]
  rect 4.5x4.5 smd: 1(-3.7,0) 2(3.7,0)
  silkscreen extent -6.55,-3.35 6.7,3.37, body extent -4.06,-3.1 4.06,3.1, height 2.7
DO-214AB#2 [mm]
  rect 3.5x3.5 smd: 1(-3.7,0) 2(3.7,0)
  silkscreen extent -6.55,-3.35 6.7,3.37, body extent -4.06,-3.1 4.06,3.1, height 2.7
DO-214AC [mm]
  rect 2.5x2.5 smd: 1(-2.3,0) 2(2.3,0)
  silkscreen extent -3.9,-1.65 4.05,1.68, body extent -2.3,-1.35 2.3,1.35, height 2.4
DSP1-L2-DC24V-F [mm]
  round 1.524 hole 1: 1(-8.95,-3.81) 2(-6.41,-3.81) 5(1.21,-3.81) 8(8.83,-3.81) 9(8.83,3.81) 12(1.21,3.81) 15(-6.41,3.81) 16(-8.95,3.81)
  silkscreen extent -10.1,-5.65 10.1,5.65, body extent -10.1,-5.65 10.1,5.65, height 10.5
EE19/8/5 [mm]
  round 2.5 hole 1: 1(-5.08,-5.5) 2(0,-5.5) 3(5.08,-5.5) 4(5.08,5.5) 5(0,5.5) 6(-5.08,5.5)
  silkscreen extent -9.8,-7.5 9.8,7.5, body extent -9.8,-7.5 9.8,7.5, height 16.6
EMI_22_3mH#1 [mm]
  round 3 hole 1.8: 1(-2.362,261.087) 2(35.052,188.29) 3(2.311,261.036) 4(35.052,183.637)
EMI_22_3mH#2 [mm]
  oval 3x5 smd far side: 1(50.546,207.772) 2(14.787,168.402) 3(45.415,211.303) 4(10.643,168.224)
EMI_22_3mH#3 [mm]
  round 3 hole 1.2: 1(-11,-8) 2(11,-8) 3(-11,8) 4(11,8)
  silkscreen extent -11,-11 11,11
HDR2X5 [mm] "Connector; Header; 5x2 Position"
  rect 1.5x1.5 hole 0.9: 1(0,0)
  round 1.5 hole 0.9: 2(0,2.54) 3(2.54,0) 4(2.54,2.54) 5(5.08,0) 6(5.08,2.54) 7(7.62,0) 8(7.62,2.54) 9(10.16,0) 10(10.16,2.54)
  silkscreen extent -1.27,-1.27 11.43,3.81
HDR2X18 [mm] "Connector; Header; 18x2 Position"
  rect 1.5x1.5 hole 0.9: 1(0,0)
  round 1.5 hole 0.9: 2(0,2.54) 3(2.54,0) 4(2.54,2.54) 5(5.08,0) 6(5.08,2.54) 7(7.62,0) 8(7.62,2.54) 9(10.16,0) 10(10.16,2.54) 11(12.7,0) 12(12.7,2.54) 13(15.24,0) 14(15.24,2.54) 15(17.78,0) 16(17.78,2.54) 17(20.32,0) 18(20.32,2.54) 19(22.86,0) 20(22.86,2.54) 21(25.4,0) 22(25.4,2.54) 23(27.94,0) 24(27.94,2.54) 25(30.48,0) 26(30.48,2.54) 27(33.02,0) 28(33.02,2.54) 29(35.56,0) 30(35.56,2.54) 31(38.1,0) 32(38.1,2.54) 33(40.64,0) 34(40.64,2.54) 35(43.18,0) 36(43.18,2.54)
  silkscreen extent -1.27,-1.27 44.45,3.81, body extent -1.27,-1.23 44.45,3.77, height 8
HDR2X24 [mm]
  rect 1.5x1.5 hole 0.9: 1(0,0)
  round 1.5 hole 0.9: 2(0,2.54) 3(2.54,0) 4(2.54,2.54) 5(5.08,0) 6(5.08,2.54) 7(7.62,0) 8(7.62,2.54) 9(10.16,0) 10(10.16,2.54) 11(12.7,0) 12(12.7,2.54) 13(15.24,0) 14(15.24,2.54) 15(17.78,0) 16(17.78,2.54) 17(20.32,0) 18(20.32,2.54) 19(22.86,0) 20(22.86,2.54) 21(25.4,0) 22(25.4,2.54) 23(27.94,0) 24(27.94,2.54) 25(30.48,0) 26(30.48,2.54) 27(33.02,0) 28(33.02,2.54) 29(35.56,0) 30(35.56,2.54) 31(38.1,0) 32(38.1,2.54) 33(40.64,0) 34(40.64,2.54) 35(43.18,0) 36(43.18,2.54) 37(45.72,0) 38(45.72,2.54) 39(48.26,0) 40(48.26,2.54) 41(50.8,0) 42(50.8,2.54) 43(53.34,0) 44(53.34,2.54) 45(55.88,0) 46(55.88,2.54) 47(58.42,0) 48(58.42,2.54)
  silkscreen extent -1.27,-1.27 59.69,3.81, body extent -1.5,-1.1 59.94,3.9, height 8
IB-LS [mm]
  oval 1.5x2 hole 1: 1(2.54,0) 2(0,0)
  round 1.5 hole 1: 3(7.62,0) 4(12.7,0)
  silkscreen extent -2,-5 18,1.5, body extent -2.1,-5.1 17.5,0.9, height 10
IDC10 [mm]
  rect 1.5x1.5 hole 0.9: 1(0,0)
  round 1.5 hole 0.9: 2(0,2.54) 3(2.54,0) 4(2.54,2.54) 5(5.08,0) 6(5.08,2.54) 7(7.62,0) 8(7.62,2.54) 9(10.16,0) 10(10.16,2.54)
  silkscreen extent -5,-3.25 15.2,5.55, body extent -3.82,-3.18 13.99,5.82, height 9.1
JQX-115FA [mil]
  round 100 hole 60: 1(0,0) 2(-300,120) 3(-300,-120) 4(-300,800) 5(0,800)
  silkscreen extent -400,-220 100,900, body extent -405,-246 95,896, height 622
L680-TP [mm] "3d"
  rect 3x3 smd: 1(-4,0) 2(4,0)
  silkscreen extent -3.87,-3.68 3.87,4, body extent -3.7,-3.7 3.7,3.7, height 4.27
LED1206 [mm]
  rect 1.6x1.8 smd: A(-1.55,0.025) K(1.65,0.025)
  silkscreen extent -2.68,-1.24 2.85,1.3, body extent -1.6,-0.8 1.6,0.8, height 1.1
NTC [mil]
  round 117.99 hole 39.02: 1(0,0)
  round 118 hole 39: 2(300,0)
  silkscreen extent -119,-98 417,91
PCB5600 [mm]
  body extent -9.35,-14.78 77.55,86, height 36.95
PT_SPT204A_2/2mA [mil]
  round 120 hole 80: 1(0,0) 2(393.7,0) 4(0,503.94)
  rect 120x120 hole 80: 3(393.7,503.94)
  silkscreen extent -214,-104 593,605, body extent -181,-79 575,579, height 740
R1206 [mm]
  rect 1.6x1.8 smd: 1(-1.6,0) 2(1.6,0)
  silkscreen extent -2.73,-1.27 2.7,1.27, body extent -1.6,-0.8 1.6,0.8, height 1
R2512 [mm]
  rect 2x3.5 smd: 1(-3.24,0) 2(3.24,0)
  silkscreen extent -4.7,-2.1 4.62,2.12, body extent -3.41,-1.66 3.39,1.64, height 0.64
RES-L5#1 [mm]
  round 2 hole 1: 1(0,0)
  round 1.8 hole 1: 2(-5.5,0)
  silkscreen extent -4.4,-2.5 2.5,2.5, body extent -6.1,-3.3 3.3,3.3, height 20.02
RES-L5#2 [mm]
  round 2 hole 1: 1(0,0) 2(-5.5,0)
  silkscreen extent -4.4,-2.5 2.5,2.5, body extent -6.1,-3.3 3.3,3.3, height 20.02
res-l5 [mm]
  round 2 hole 1: 1(0,0) 2(-5.5,0)
  silkscreen extent -4.4,-2.5 2.5,2.5, body extent -6.1,-3.3 3.3,3.3, height 20.02
res_0.5W-L-5.08 [mm]
  round 2 hole 0.9: 1(0,0) 2(5.08,0)
  silkscreen extent -1.9,-1.9 3.85,1.9, body extent -1.9,-1.9 5.48,1.9, height 12.44
SFH615A-4 [mm]
  oval 1.5x3.5 smd: 1(-1.27,-4.88) 2(1.27,-4.88) 3(1.27,4.88) 4(-1.27,4.88)
  silkscreen extent -2.41,-2.7 2.4,2.8, body extent -2.42,-5.02 2.41,5.01, height 4.06
SL-H贴片铝电解8MM [mm]
  oval 3.5x2 smd: 1(-3.75,0) 2(3.75,0)
  silkscreen extent -4.45,-4.18 4.5,4.18, body extent -4.5,-4.15 4.5,4.15, height 10.5
SMT-5822 [mm]
  rect 3x3 smd: 1(2.5,0) 2(-2.5,0)
  silkscreen extent -4.4,-2 4.4,2, body extent -2.8,-1.95 2.8,1.95, height 2.5
SMT_4148 [mm]
  rect 2x2.032 smd: 1(-2.3,0) 2(2.3,0)
  silkscreen extent -4,-1.52 4.2,1.52, body extent -1.75,-0.75 1.75,0.75, height 1.5
SO8 [mm] "Small Outline; 8 Leads; Body Width 3.9 mm; Pitch 1.27 mm"
  rect 0.6x1.8 smd: 1(-1.905,-3.1) 2(-0.635,-3.1) 3(0.635,-3.1) 4(1.905,-3.1) 5(1.905,3.1) 6(0.635,3.1) 7(-0.635,3.1) 8(-1.905,3.1)
  silkscreen extent -2.5,-1.85 2.5,1.9, body extent -2.45,-3 2.45,3, height 1.7
SO-4 [mil]
  oval 80x24 smd: 1(-137.8,25) 2(-137.8,-25) 3(137.8,-25) 4(137.8,25)
  silkscreen extent -50,-50 50,50, body extent -139,-53 139,53, height 83
SOP8(贴片DIP8) [mm]
  rect 0.8x3 smd: 1(-3.81,-5) 2(-1.27,-5) 3(1.27,-5) 4(3.81,-5) 5(3.81,5) 6(1.27,5) 7(-1.27,5) 8(-3.81,5)
  silkscreen extent -4.77,-3.22 4.77,3.22, body extent -4.77,-5.35 4.78,5.35, height 4.85
SOP16 [mm]
  rect 2x0.5 smd: 1(-3.03,4.445)
  oval 2x0.5 smd: 2(-3.03,3.175) 3(-3.03,1.905) 4(-3.03,0.635) 5(-3.03,-0.635) 6(-3.03,-1.905) 7(-3.03,-3.175) 8(-3.03,-4.445) 9(3.03,-4.445) 10(3.03,-3.175) 11(3.03,-1.905) 12(3.03,-0.635) 13(3.03,0.635) 14(3.03,1.905) 15(3.03,3.175) 16(3.03,4.445)
  silkscreen extent -1.19,-5.08 1.2,5.08, body extent -3.13,-5 3.13,5, height 1.5
SOT223 [mm] "SOT-223/SC-73; 4 Leads; Body 6.7 x 7.3 mm, inc. leads (LxW max)"
  rect 1.1x2.5 smd: 1(-2.3,-3.1) 2(0,-3.1) 3(2.3,-3.1)
  rect 3.5x2.5 smd: 2(0,3.1)
  silkscreen extent -3.35,-1.63 3.35,1.63, body extent -3.25,-3.48 3.25,3.48, height 1.7
SOT-23 [mm]
  rect 1x1.2 smd: 1(-0.95,-1.25) 2(0.95,-1.25) 3(0,1.25)
  silkscreen extent -2.07,-1.37 1.3,1.25, body extent -1.45,-1.4 1.45,1.4, height 1.2
TO220-IRF540#1 [mm]
  round 1.8 hole 1.1 paste+0: 1(-2.54,0.015)
  oval 1.8x2 hole 1.1: 2(0,-0.015) 3(2.54,-0.015)
  silkscreen extent -5.2,-1.81 5.2,2.79
TO220-IRF540#2 [mm]
  oval 1.8x2.5 hole 1.1 paste+0: 1(-2.54,0.015)
  oval 1.8x2.5 hole 1.1: 2(0,-0.015) 3(2.54,-0.015)
  silkscreen extent -5.2,-1.81 5.2,2.79
TO-220-SRQ [mm]
  round 1.5 hole 1: 1(-2.54,0)
  oval 1.5x2.5 hole 1: 2(0,0) 3(2.54,0)
  round 1.8 hole 1.1: 4(4,5.131) 5(-4,5.131)
  silkscreen extent -9.4,-2.08 9.4,5.92, body extent -9.5,-1.87 9.5,8.23, height 29.7
TO-263-5 [mil]
  oval 39x160 smd: 1(-134,0) 2(-67.14,0) 3(-0.14,0) 4(66.86,0) 5(133.86,0)
  rect 393.7x393.7 smd: 3(0,472.44)
  silkscreen extent -228,4 232,594, body extent -197,3 197,588, height 176
TO-269AA [mm]
  rect 2x0.8 smd: 1(0,0)
  oval 2x0.8 smd: 2(-6.5,0) 3(0,2.54) 4(-6.5,2.54)
  silkscreen extent -5.17,-1.1 -1.33,3.4
XH_2.54*2 [mm]
  rect 2x2 hole 0.9: 1(0,0)
  round 2 hole 0.9: 2(2.54,0)
  silkscreen extent -1.7,-3 4.3,3
XR_POWER5.08_4_弯 [mm]
  rect 3x3 hole 1.8: 1(0,0)
  round 3 hole 1.8: 2(5.08,0) 3(10.16,0) 4(15.24,0)
  silkscreen extent -3.81,-10 19.05,2, body extent -3.04,-19.8 18.28,1.5, height 15.1
XR_POWER5.08_8_弯 [mm]
  rect 3x3 hole 1.8: 1(0,0)
  round 3 hole 1.8: 2(5.08,0) 3(10.16,0) 4(15.24,0) 5(20.32,0) 6(25.4,0)
  round 3.048 hole 1.8: 7(30.48,0) 8(35.56,0)
  silkscreen extent -3.81,-10 39.37,2, body extent -3.54,-19.6 39.1,2, height 15.3
XR_POWER5.08_10_弯 [mm]
  rect 3x3 hole 1.8: 1(0,0)
  round 3 hole 1.8: 2(5.08,0) 3(10.16,0) 4(15.24,0) 5(20.32,0) 6(25.4,0)
  round 3.048 hole 1.8: 7(30.48,0) 8(35.56,0) 9(40.64,0) 10(45.72,0)
  silkscreen extent -3.81,-10 49.53,2, body extent -3.04,-19.8 48.76,1.5, height 15.1
XR_POWER5.08_12_弯 [mm]
  rect 3x3 hole 1.8: 1(0,0)
  round 3 hole 1.8: 2(5.08,0) 3(10.16,0) 4(15.24,0) 5(20.32,0) 6(25.4,0)
  round 3.048 hole 1.8: 7(30.48,0) 8(35.56,0) 9(40.64,0) 10(45.72,0) 11(50.8,0) 12(55.88,0)
  silkscreen extent -3.81,-10 59.69,2, body extent -3.04,-19.8 58.92,1.5, height 15.1
XR_POWER5.08_15_弯 [mm]
  rect 3x3 hole 1.8: 1(0,0)
  round 3 hole 1.8: 2(5.08,0) 3(10.16,0) 4(15.24,0) 5(20.32,0) 6(25.4,0)
  round 3.048 hole 1.8: 7(30.48,0) 8(35.56,0) 9(40.64,0) 10(45.72,0) 11(50.8,0) 12(55.88,0) 13(60.96,0) 14(66.04,0) 15(71.12,0)
  silkscreen extent -3.81,-10 74.93,2, body extent -3.04,-19.8 74.16,1.5, height 15.1
XR_POWER9.5_8 [mm]
  round 5 hole 1.8: 1(5.75,-5) 2(15.25,-5) 3(24.75,-5) 4(34.25,-5) 5(43.75,-5) 6(53.25,-5) 7(62.75,-5) 8(72.25,-5)
  silkscreen extent 0,-16.25 78,0, body extent 0.2,-17.67 78.2,0.33, height 14.5
YKQ [mm]
  round 1.5 hole 1: 1(-17.75,-9.108) 2(-17.75,-1.488) 3(-17.75,1.052) 4(-17.75,-4.028) 5(-17.75,3.592) 6(-17.75,6.132) 8(17.75,11.972) 9(17.75,9.432) 10(-17.75,-6.568)
  silkscreen extent -20.45,-14.33 21.55,14.67
ZMCT101B_OUTLINE [mm]
  round 4 hole 4: 0(-5.646,-10.921) 0(-5.646,0.143)
  round 2.54 hole 1.27: 1(0.021,0.146) 2(13.221,0.146) 2(16.504,1.146) 3(0.021,-10.854) 4(13.221,-10.854) 4(16.504,-11.854)
  silkscreen extent -5.65,-14.7 17.91,4, body extent -0.99,-14.46 17.51,4.04, height 20
ZMPT107 [mm]
  round 2.2 hole 1.2: 1(16.5,0) 2(0,7.2) 3(0,0) 4(16.5,7.2)
  silkscreen extent -1.52,-1.65 17.9,8.64, body extent -1.52,-1.54 17.78,8.66, height 18.3
双排针母座2.54_2*8 [mm]
  round 1.8 hole 1.1: 1(-8.89,-1.27) 2(-8.89,1.27) 3(-6.35,-1.27) 4(-6.35,1.27) 5(-3.81,-1.27) 6(-3.81,1.27) 7(-1.27,-1.27) 8(-1.27,1.27) 9(1.27,-1.27) 10(1.27,1.27) 11(3.81,-1.27) 12(3.81,1.27) 13(6.35,-1.27) 14(6.35,1.27) 15(8.89,-1.27) 16(8.89,1.27)
  silkscreen extent -10.3,-2.5 10.33,2.5, body extent -10.36,-2.5 10.36,2.5, height 8.5
钽电容B型3528 [mm]
  rect 2.3x2.2 smd: 1(-1.75,0) 2(1.75,0)
  silkscreen extent -3.6,-1.7 3.2,1.7, body extent -1.75,-1.4 1.75,1.4, height 1.9
钽电解C型EC6032 [mm]
  rect 2.7x2.6 smd: 1(-2.65,0) 2(2.65,0)
  silkscreen extent -4.8,-1.9 4.4,1.9, body extent -3,-1.6 3,1.6, height 2.6